# Altium PCB PCB-Tester-Board-V1.PcbDoc (part 4 of 7)
Units mil, origin at the board's own origin, x right, y up, seen from the top; angles counter-clockwise.
Board outline 15748.03 x 11811.02 mil, 8 copper layers (Top Layer, Inner1, Inner2, Inner3, Inner4, Inner5, Inner6, Bottom Layer), stack 59.646 mil thick; 751 components, 658 nets, 2830 pads, 1014 vias.
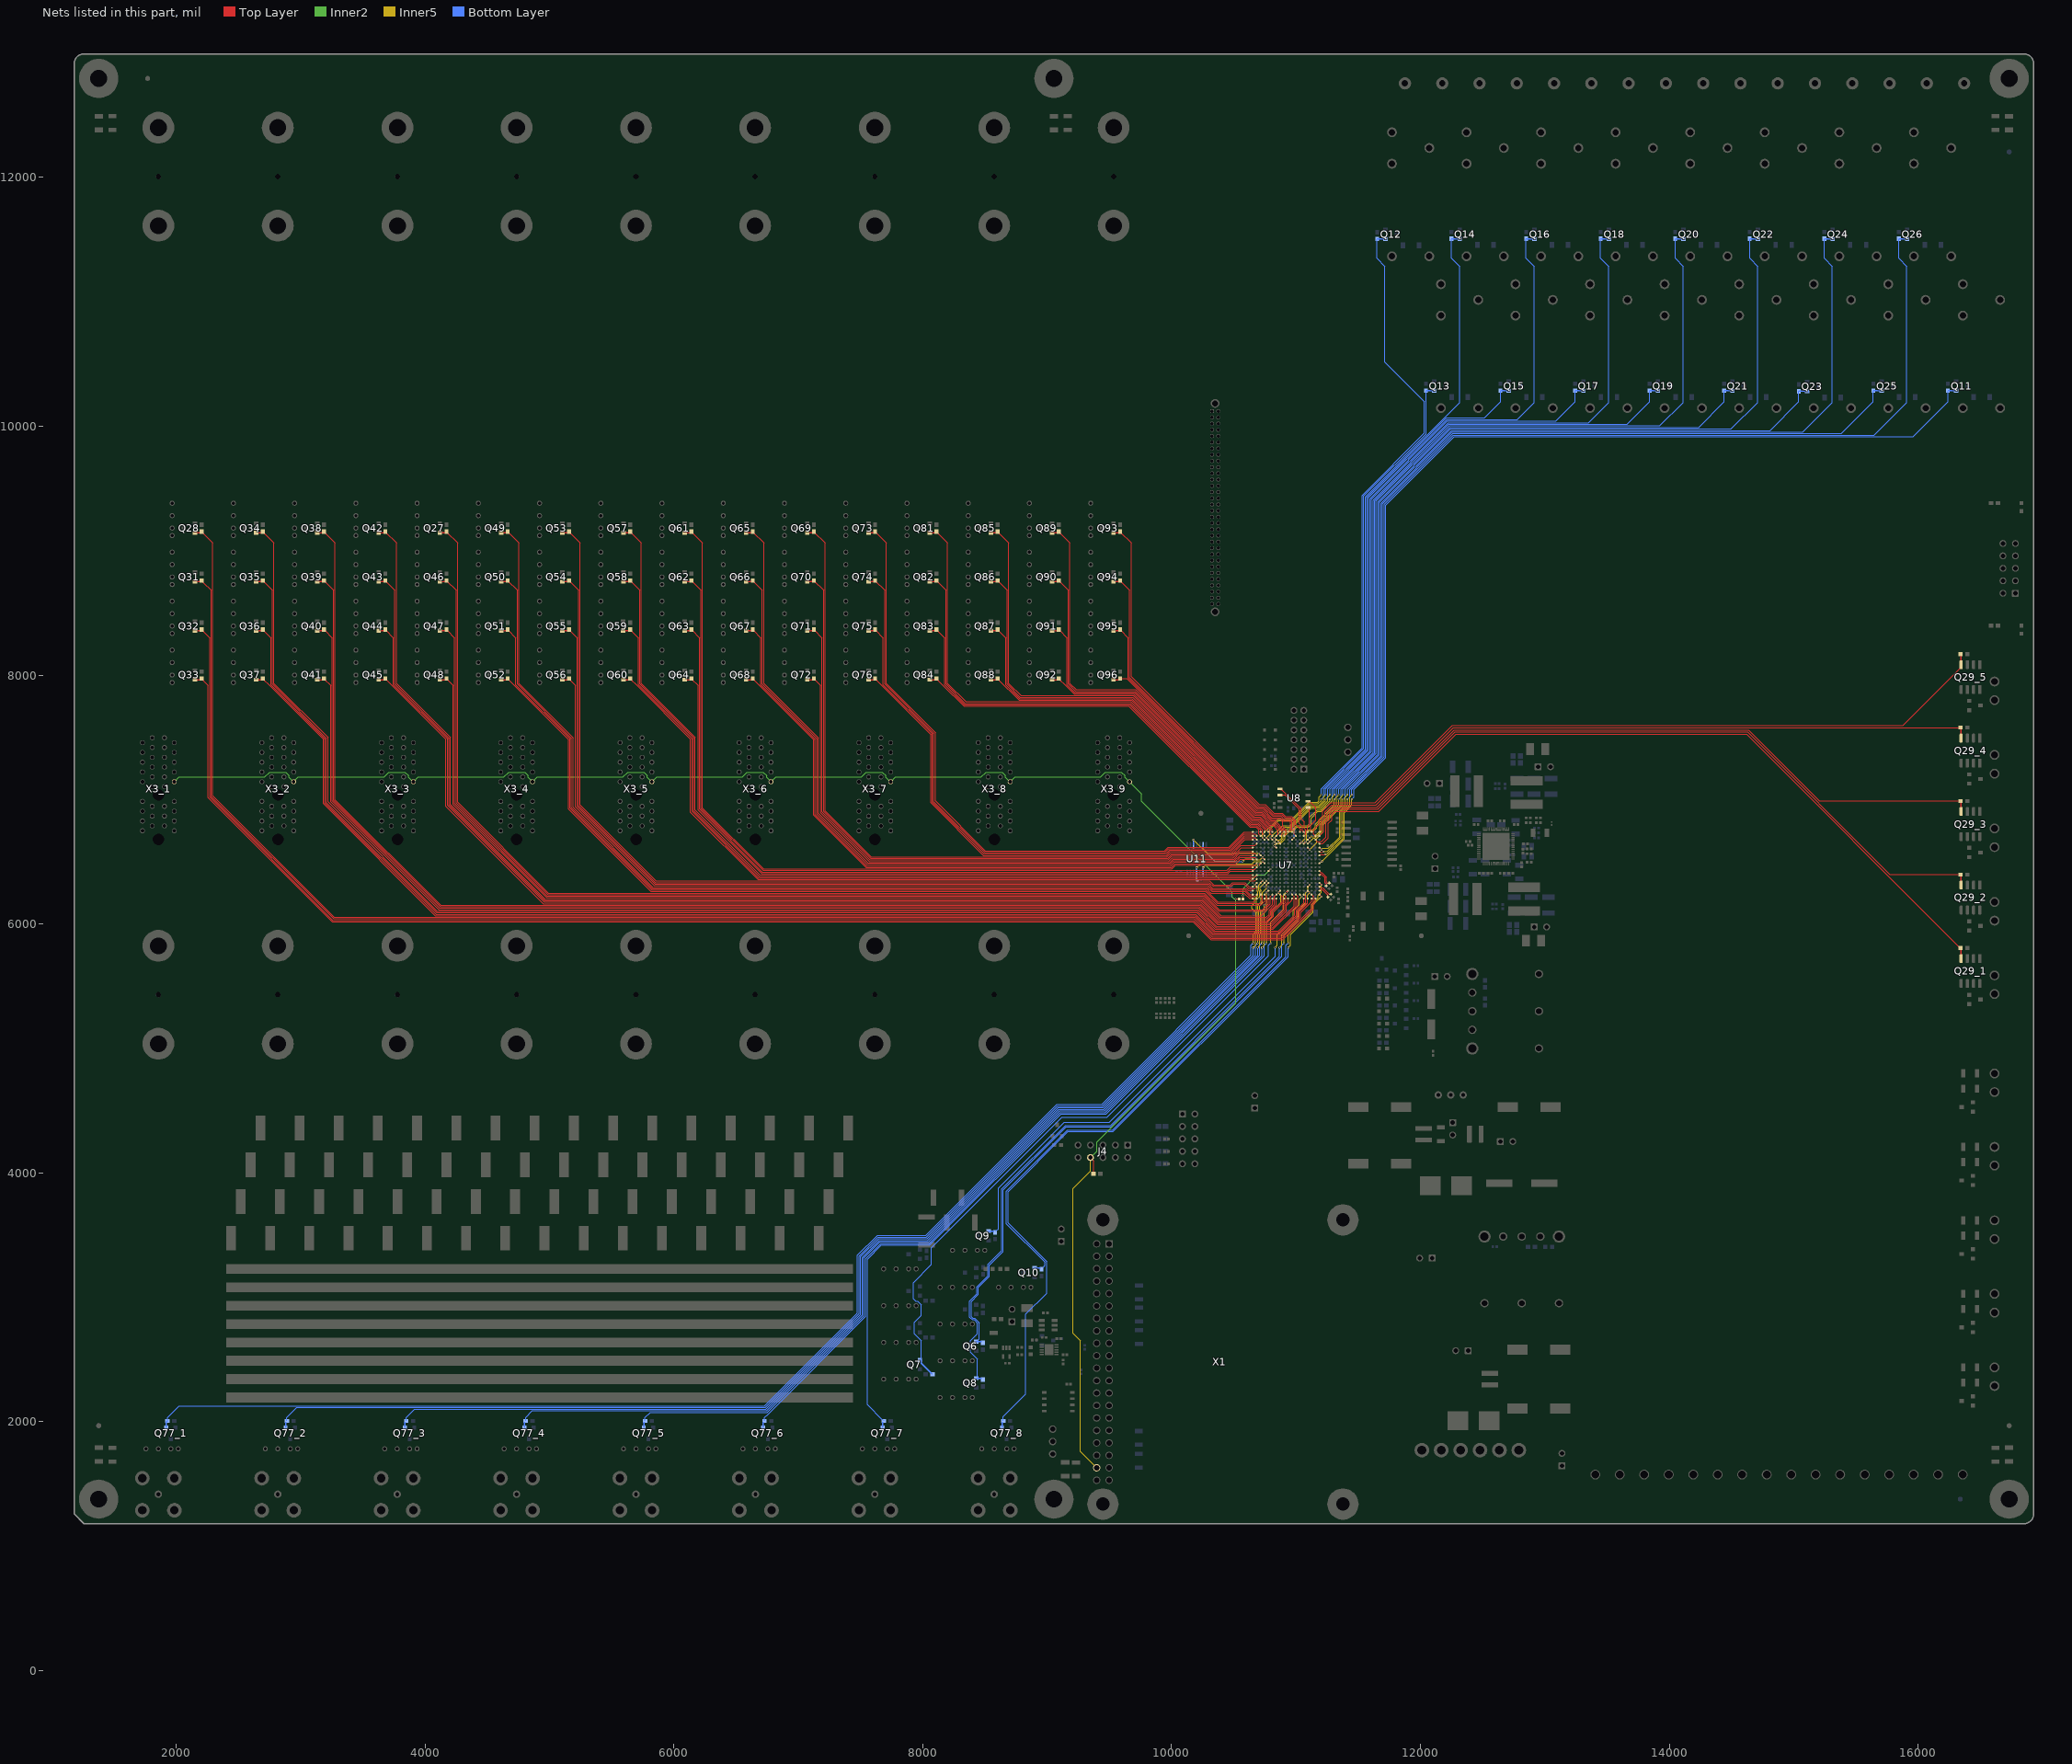
[diagram p10: the nets of this part, all layers, seen from the top]

## Via types
v1: diameter 15.75, hole 7.87, Top Layer to Bottom Layer, 599 vias
v2: diameter 31.5, hole 11.81, Top Layer to Bottom Layer, 361 vias
v3: diameter 27.56, hole 11.81, Top Layer to Bottom Layer, 54 vias

## Nets (pads, with @x,y where several pads share a name; then routed paths per layer and width w, separated by ;. In a path a pad name is that pad's centre, name@x,y a point inside that pad or via, vN(x,y) a via of type N, cw(c..) or ccw(c..) an arc to the next point about the centre after c; other vN are vias at no path point) (continued)
DRV6: Q6.1 R7.2 U7.T15 | length 5056.4
  Top Layer w6: U7.T15@11094.49,6267.72 v1(11110.24,6251.97)
  Inner5 w6: v1(10903.6,5846.46) 10903.6,5914.24 11019.5,6030.13 11019.5,6095.18 11092.12,6167.8 11092.12,6233.86 v1(11110.24,6251.97)
  Bottom Layer w6: Q6.1@8432.28,2644.88 8454.85,2667.44 8454.85,2795.69 8417.65,2832.89 8403.26,2832.89 8390.84,2845.32 8390.84,2965.39 8448.73,3023.29 8448.73,3078.6 8537.09,3166.96 8537.09,3258.35 8647.63,3368.89 8647.63,3863.86 9153.4,4369.63 9515.78,4369.63 10886.02,5739.87 10886.02,5828.88 v1(10903.6,5846.46)
  Bottom Layer w10: Q6.1@8430.31,2644.88 8432.28,2644.88 R7.2@8474.41,2644.88
DRV7: Q7.1 R8.2 U7.T10 | length 5473.7
  Top Layer w6: v1(10921.26,6251.97) U7.T10@10937.01,6267.72
  Inner5 w6: v1(10798.12,5846.46) 10798.12,6014.26 10902.1,6118.24 10902.1,6232.81 v1(10921.26,6251.97)
  Bottom Layer w6: Q7.1@7977.56,2497.24 7987.81,2507.5 7987.81,2650.5 7932.28,2706.03 7932.28,2799.69 7988.23,2855.64 7988.23,2938.98 7959.56,2967.65 7945.17,2967.65 7925.2,2987.62 7925.2,3118.37 8071.46,3264.62 8071.46,3396.95 9121.4,4446.89 9483.78,4446.89 10780.54,5743.64 10780.54,5828.88 v1(10798.12,5846.46)
  Bottom Layer w10: Q7.1@7977.56,2497.24 7987.81,2486.99 7987.81,2470.85 8066.02,2392.64 8067.99,2392.64 R8.2@8078.74,2381.89
DRV8: Q8.1 R9.2 U7.R15 | length 5446.2
  Top Layer w6: U7.R15@11094.49,6299.21 v1(11110.24,6314.96)
  Inner5 w6: v1(10868.44,5811.3) 10886.02,5828.88 10886.02,5913.61 11007.51,6035.1 11007.51,6100.14 11080.14,6172.77 11080.14,6250.25 11097.18,6267.29 11097.18,6301.91 v1(11110.24,6314.96)
  Bottom Layer w6: Q8.1@8440.57,2359.86 8440.57,2502.87 8385.04,2558.39 8385.04,2652.05 8440.99,2708 8440.99,2791.34 8412.32,2820.01 8397.93,2820.01 8377.96,2839.98 8377.96,2970.73 8435.86,3028.62 8435.86,3083.93 8524.21,3172.29 8524.21,3263.69 8634.75,3374.23 8634.75,3869.19 9148.06,4382.51 9510.45,4382.51 10868.44,5740.5 v1(10868.44,5811.3)
  Bottom Layer w10: Q8.1@8430.31,2349.61 R9.2@8474.41,2349.61
DRV9: Q9.1 R14.2 U7.U13 | length 3987.7
  Top Layer w6: U7.U13@11031.5,6236.22 v1(11047.24,6220.47)
  Inner5 w6: v1(10833.28,5811.3) 10850.86,5828.88 10850.86,5913.61 10980.23,6042.97 10980.23,6109.05 11025.3,6154.12 11025.3,6198.53 v1(11047.24,6220.47)
  Bottom Layer w6: R14.2@8588.25,3529.98 8595.43,3537.16 8595.5,3537.16 8609,3550.66 8609,3879.86 9137.4,4408.26 9499.78,4408.26 10833.28,5741.76 v1(10833.28,5811.3)
  Bottom Layer w10: Q9.1@8530.31,3532.28 R14.2@8574.41,3532.28
DRV10: Q10.1 R15.2 U7.P18 | length 4537.2
  Top Layer w6: U7.P18@11188.98,6330.71 v1(11204.72,6314.96)
  Inner5 w6: v1(10938.76,5846.46) 10938.76,5914.24 11125.92,6101.4 11125.92,6159.88 11176.97,6210.92 11176.97,6227.45 11204.72,6255.21 v1(11204.72,6314.96)
  Bottom Layer w6: R15.2@8967.01,3239.92 8967.39,3240.31 8983.12,3256.03 8983.12,3281.88 8673.38,3591.62 8673.38,3853.19 9164.06,4343.88 9526.45,4343.88 10921.18,5738.61 10921.18,5828.88 v1(10938.76,5846.46)
  Bottom Layer w10: Q10.1@8900.71,3235.43 R15.2@8944.8,3235.43
DRV11: Q29_5.1 R38_5.2 U7.B17 | length 5954.7
  Top Layer w5: 11141.73,6724.41 11141.73,6755.91
  Top Layer w6: 11141.73,6724.41 U7.B17@11157.48,6708.66
  Top Layer w8: 11141.73,6755.91 11187.2,6801.38 11187.2,6837.21 11216.15,6866.15 11216.15,6908.93 11282.86,6975.65 11637.43,6975.65 12258.44,7596.65 15880.71,7596.65 16346.06,8062.01 Q29_5.1@16346.06,8084.65
  Top Layer w10: R38_5.2@16340.55,8169.29 16346.06,8163.78 Q29_5.1@16346.06,8084.65
DRV12: Q29_4.1 R38_4.2 U7.A18 | length 5646
  Top Layer w6: U7.A18@11188.98,6740.16 11204.72,6755.91
  Top Layer w8: 11205.11,6755.91 11205.11,6829.79 11234.06,6858.73 11234.06,6901.51 11290.28,6957.73 11644.85,6957.73 12265.86,7578.74 R38_4.2@16340.55,7578.74
  Top Layer w10: Q29_4.1@16346.06,7494.09 R38_4.2@16346.06,7573.23
DRV13: Q29_3.1 R38_3.2 U7.B18 | length 5892.6
  Top Layer w6: U7.B18@11188.98,6708.66 11204.72,6724.41
  Top Layer w8: 11204.72,6724.41 11223.03,6742.71 11223.03,6822.37 11251.97,6851.31 11251.97,6894.09 11297.7,6939.82 11652.27,6939.82 12273.28,7560.83 14635.5,7560.83 15208.14,6988.19 R38_3.2@16340.55,6988.19
  Top Layer w10: Q29_3.1@16346.06,6903.54 R38_3.2@16346.06,6982.68
DRV14: Q29_2.1 R38_2.2 U7.C17 | length 6202
  Top Layer w5: 11173.23,6661.42 11204.72,6661.42
  Top Layer w6: U7.C17@11157.48,6677.17 11173.23,6661.42
  Top Layer w8: 11204.72,6661.42 11240.94,6697.63 11240.94,6814.95 11269.88,6843.89 11269.88,6886.68 11305.12,6921.91 11659.69,6921.91 12280.69,7542.92 14628.08,7542.92 15773.36,6397.64 R38_2.2@16340.55,6397.64
  Top Layer w10: Q29_2.1@16346.06,6312.99 R38_2.2@16346.06,6392.13
DRV15: Q29_1.1 R38_1.2 U7.D18 | length 6399.7
  Top Layer w6: U7.D18@11188.98,6645.67 11213.25,6645.67 11218.96,6651.38
  Top Layer w8: 11218.96,6651.38 11258.85,6691.27 11258.85,6807.53 11287.79,6836.47 11287.79,6879.26 11312.54,6904 11667.11,6904 12288.11,7525.01 14620.66,7525.01 16326.83,5818.83 16338.58,5807.09 R38_1.2@16340.55,5807.09
  Top Layer w10: Q29_1.1@16346.06,5722.44 R38_1.2@16346.06,5801.57
DRV16: Q77_1.1 R1_1.2 U7.P2 | length 11251.8
  Top Layer w6: v1(10669.29,6314.96) U7.P2@10685.04,6330.71
  Inner5 w6: v1(10657.48,5846.46) 10657.48,5919.78 10678.08,5940.37 10678.08,6092.37 10646.39,6124.06 10646.39,6146.12 10669.56,6169.29 10669.56,6204.15 10694.26,6228.84 10694.26,6257.96 10688.68,6263.53 10688.68,6295.57 v1(10669.29,6314.96)
  Bottom Layer w6: R1_1.2@1930.22,2007.32 1930.22,2033.62 2023.6,2127 6730.06,2127 7476.62,2873.56 7476.62,3337.33 7636.57,3497.29 8024.66,3497.29 9078.3,4550.92 9440.69,4550.92 10639.9,5750.14 10639.9,5828.88 v1(10657.48,5846.46)
  Bottom Layer w10: Q77_1.1@1920.37,1952.87 1920.37,1997.48 R1_1.2@1930.22,2007.32
DRV17: Q77_2.1 R1_2.2 U7.P3 | length 10311.6
  Top Layer w6: U7.P3@10716.54,6330.71 v1(10732.28,6346.46)
  Inner5 w6: v1(10657.48,5811.3) 10675.06,5828.88 10675.06,5919.15 10690.95,5935.04 10690.95,6100.27 10682.25,6108.97 10682.25,6197.89 10707.11,6222.76 10707.11,6263.2 10701.08,6269.24 10701.08,6315.25 v1(10732.28,6346.46)
  Bottom Layer w6: R1_2.2@2889.86,2007.32 2889.86,2033.13 2970.69,2113.95 6735.46,2113.95 7489.67,2868.16 7489.67,3331.93 7641.98,3484.24 8030.07,3484.24 9083.71,4537.88 9446.09,4537.88 10657.48,5749.26 v1(10657.48,5811.3)
  Bottom Layer w10: Q77_2.1@2880.02,1952.87 R1_2.2@2880.02,1997.48
DRV18: Q77_3.1 R1_3.2 U7.P4 | length 9376.2
  Top Layer w6: U7.P4@10748.03,6330.71 v1(10763.78,6346.46)
  Inner5 w6: v1(10692.64,5846.46) 10692.64,5919.78 10702.94,5930.07 10702.94,6105.23 10694.24,6113.93 10694.24,6153 10719.84,6178.61 10719.84,6269.26 10713.37,6275.73 10713.37,6296.04 v1(10763.78,6346.46)
  Bottom Layer w6: R1_3.2@3849.51,2007.32 3849.51,2033.13 3917.29,2100.9 6740.87,2100.9 7502.71,2862.75 7502.71,3326.52 7647.38,3471.19 8035.47,3471.19 9089.11,4524.83 9451.5,4524.83 10675.06,5748.39 10675.06,5828.88 v1(10692.64,5846.46)
  Bottom Layer w10: Q77_3.1@3839.67,1952.87 R1_3.2@3839.67,1997.48
DRV19: Q77_4.1 R1_4.2 U7.P5 | length 8390.5
  Top Layer w6: v1(10763.78,6314.96) U7.P5@10779.53,6330.71
  Inner5 w6: v1(10692.64,5811.3) 10710.22,5828.88 10710.22,5919.15 10715.81,5924.74 10715.81,6110.56 10707.11,6119.27 10707.11,6147.67 10732.25,6172.81 10732.25,6255.87 10763.78,6287.4 v1(10763.78,6314.96)
  Bottom Layer w6: R1_4.2@4809.15,2007.32 4809.15,2033.13 4863.88,2087.86 6746.27,2087.86 7515.76,2857.35 7515.76,3321.12 7652.79,3458.14 8040.88,3458.14 9094.51,4511.78 9456.9,4511.78 10692.64,5747.52 v1(10692.64,5811.3)
  Bottom Layer w10: Q77_4.1@4799.31,1952.87 R1_4.2@4799.31,1997.48
DRV20: Q77_5.1 R1_5.2 U7.U4 | length 7340
  Top Layer w5: 10763.78,6188.98 10763.78,6220.47
  Top Layer w6: v1(10744.5,6153) 10763.78,6172.29 10763.78,6188.98 ; U7.U4@10748.03,6236.22 10763.78,6220.47
  Inner5 w6: v1(10727.8,5846.46) 10727.8,6102.8 10744.5,6119.49 v1(10744.5,6153)
  Bottom Layer w6: R1_5.2@5768.8,2007.32 5768.8,2033.13 5810.48,2074.81 6751.68,2074.81 7528.81,2851.94 7528.81,3315.71 7658.19,3445.1 8046.28,3445.1 9099.92,4498.73 9462.31,4498.73 10710.22,5746.65 10710.22,5828.88 v1(10727.8,5846.46)
  Bottom Layer w10: Q77_5.1@5758.96,1952.87 R1_5.2@5758.96,1997.48
DRV21: Q77_6.1 R1_6.2 U7.T5 | length 6422.6
  Top Layer w6: v1(10763.78,6251.97) U7.T5@10779.53,6267.72
  Inner5 w6: v1(10727.8,5811.3) 10745.38,5828.88 10745.38,6093.48 10763.78,6111.88 v1(10763.78,6251.97)
  Bottom Layer w6: R1_6.2@6728.44,2007.32 6728.44,2033.13 6757.08,2061.76 7541.86,2846.54 7541.86,3310.31 7663.6,3432.05 8051.69,3432.05 9105.32,4485.69 9467.71,4485.69 10727.8,5745.78 v1(10727.8,5811.3)
  Bottom Layer w10: Q77_6.1@6718.6,1952.87 R1_6.2@6718.6,1997.48
DRV22: Q77_7.1 R1_7.2 U7.T8 | length 6191.8
  Top Layer w6: v1(10858.27,6251.97) U7.T8@10874.02,6267.72
  Inner5 w6: v1(10762.96,5846.46) 10762.96,6014.26 10807.26,6058.56 10807.26,6102.89 10877.36,6172.99 10877.36,6232.88 v1(10858.27,6251.97)
  Bottom Layer w6: R1_7.2@7688.09,2007.32 7675.34,2020.07 7672.93,2020.07 7554.9,2138.1 7554.9,3304.9 7669,3419 8057.09,3419 9110.73,4472.64 9473.12,4472.64 10745.38,5744.9 10745.38,5828.88 v1(10762.96,5846.46)
  Bottom Layer w10: Q77_7.1@7678.25,1952.87 R1_7.2@7678.25,1997.48
DRV23: Q77_8.1 R1_8.2 U7.U18 | length 5808
  Top Layer w6: U7.U18@11188.98,6236.22 v1(11204.72,6220.47)
  Inner5 w6: v1(10938.76,5811.3) 10956.34,5828.88 10956.34,5913.61 11138.79,6096.06 11138.79,6154.54 v1(11204.72,6220.47)
  Bottom Layer w6: R1_8.2@8647.74,2007.32 8647.74,2041.11 8828,2221.37 8828,2865.24 8996,3033.24 8996,3287.21 8686.26,3596.95 8686.26,3847.86 9169.4,4331 9531.78,4331 10938.76,5737.98 v1(10938.76,5811.3)
  Bottom Layer w10: Q77_8.1@8637.89,1952.87 R1_8.2@8637.89,1997.48
DRV24: Q12.1 R17.2 U7.C4 | length 5705.4
  Top Layer w6: v1(10732.28,6692.91) U7.C4@10748.03,6677.17
  Inner5 w6: v1(10732.28,6692.91) 10732.28,6718.6 10856.96,6843.28 10967.32,6843.28 11102.9,6978.86 11174.48,6978.86 11185.63,6990.01 11185.63,7020.92 v1(11203.21,7038.5)
  Bottom Layer w6: v1(11203.21,7038.5) 11203.21,7086.9 11532.29,7415.98 11532.29,9444.93 12032.4,9945.03 12032.4,10197.6 11715.79,10514.21 11715.79,11286 11651.3,11350.49 R17.2@11651.3,11506.67
  Bottom Layer w10: R17.2@11652.8,11505.17 Q12.1@11719.24,11505.17
DRV25: Q13.1 R18.2 U7.C5 | length 4319.3
  Top Layer w6: v1(10763.78,6692.91) U7.C5@10779.53,6677.17
  Inner5 w6: v1(10763.78,6692.91) 10791.34,6720.47 10791.34,6759.84 10862.18,6830.68 10972.54,6830.68 11108.12,6966.26 11179.7,6966.26 11203.21,6989.77 v1(11203.21,7003.34)
  Bottom Layer w6: v1(11203.21,7003.34) 11220.79,7020.92 11220.79,7086.66 11544.89,7410.76 11544.89,9439.71 12045,9939.81 R18.2@12045,10286.2
  Bottom Layer w10: R18.2@12045,10286.2 Q13.1@12111.44,10286.2
DRV26: Q14.1 R19.2 U7.C6 | length 5633.9
  Top Layer w6: v1(10795.28,6692.91) U7.C6@10811.02,6677.17
  Inner5 w6: v1(10795.28,6692.91) 10894.56,6792.2 10951.4,6792.2 11113.2,6954 11184.78,6954 11220.79,6990.01 11220.79,7020.92 v1(11238.37,7038.5)
  Bottom Layer w6: v1(11238.37,7038.5) 11238.37,7086.43 11557.49,7405.54 11557.49,9434.49 12315,10192 12315,11286 12250.51,11350.49 R19.2@12250.51,11506.67
  Bottom Layer w10: R19.2@12250.51,11506.67 Q14.1@12316.95,11506.67
DRV27: Q15.1 R20.2 U7.C7 | length 4682
  Top Layer w6: v1(10826.77,6692.91) U7.C7@10842.52,6677.17
  Inner5 w6: v1(10826.77,6692.91) 10913.46,6779.6 10956.62,6779.6 11118.42,6941.4 11190,6941.4 11238.37,6989.77 v1(11238.37,7003.34)
  Bottom Layer w6: v1(11238.37,7003.34) 11255.95,7020.92 11255.95,7086.19 11570.08,7400.32 11570.08,9429.27 12207.82,10067 12515,10067 12644.21,10196.21 R20.2@12644.21,10286.2
  Bottom Layer w10: R20.2@12644.21,10286.2 Q15.1@12710.65,10286.2
DRV28: Q16.1 R21.2 U7.D7 | length 6230.5
  Top Layer w6: v1(10826.77,6661.42) U7.D7@10842.52,6645.67
  Inner5 w5: 10842.52,6677.17 10871.68,6677.17
  Inner5 w6: v1(10826.77,6661.42) 10842.52,6677.17 ; 10871.68,6677.17 10886.08,6691.56 10886.08,6719.06 10933.92,6766.89 10961.26,6766.89 11123.5,6929.13 11195.08,6929.13 11255.95,6990.01 11255.95,7020.92 v1(11273.53,7038.5)
  Bottom Layer w6: v1(11273.53,7038.5) 11273.53,7085.96 11582.68,7395.11 11582.68,9424.05 12213.03,10054.4 12776.61,10054.4 12914.21,10192 12914.21,11286 12849.72,11350.49 R21.2@12849.72,11506.67
  Bottom Layer w10: R21.2@12849.72,11506.67 Q16.1@12916.16,11506.67
DRV29: Q17.1 R22.2 U7.D8 | length 5308.3
  Top Layer w6: v1(10858.27,6661.42) U7.D8@10874.02,6645.67
  Inner5 w6: v1(10858.27,6661.42) 10873.34,6661.42 10898.39,6686.46 10898.39,6713.96 10939.02,6754.59 10966.35,6754.59 11003.63,6791.87 11095.36,6791.87 11108.72,6805.22 11108.72,6856.02 11169.24,6916.54 11200.3,6916.54 11273.53,6989.77 v1(11273.53,7003.34)
  Bottom Layer w6: v1(11273.53,7003.34) 11291.11,7020.92 11291.11,7085.72 11595.28,7389.89 11595.28,9418.83 12218.25,10041.81 13089.02,10041.81 13243.42,10196.21 R22.2@13243.42,10286.2
  Bottom Layer w10: R22.2@13243.42,10286.2 Q17.1@13309.86,10286.2
DRV30: Q18.1 R23.2 U7.E7 | length 6872.2
  Top Layer w6: v1(10826.77,6629.92) U7.E7@10842.52,6614.17
  Inner5 w5: 10842.52,6645.67 10874.94,6645.67
  Inner5 w6: v1(10826.77,6629.92) 10842.52,6645.67 ; 10874.94,6645.67 10910.65,6681.38 10910.65,6708.88 10944.1,6742.32 10971.43,6742.32 11008.71,6779.6 11100.44,6779.6 11120.98,6800.14 11120.98,6850.94 11174.32,6904.27 11205.38,6904.27 11291.11,6990.01 11291.11,7020.92 v1(11308.69,7038.5)
  Bottom Layer w6: v1(11308.69,7038.5) 11308.82,7038.63 11308.82,7085.61 11607.88,7384.67 11607.88,9413.62 12223.47,10029.21 13350.63,10029.21 13513.42,10192 13513.43,11286 13448.93,11350.49 R23.2@13448.93,11506.67
  Bottom Layer w10: R23.2@13448.93,11506.67 Q18.1@13515.37,11506.67
DRV31: Q19.1 R24.2 U7.D13 | length 5734.3
  Top Layer w6: U7.D13@11031.5,6645.67 v1(11047.24,6661.42)
  Inner5 w6: v1(11047.24,6661.42) 11073.95,6688.12 11073.95,6736.68 11095.62,6758.35 11134.31,6758.35 11154.24,6778.28 11154.24,6800.49 11308.69,6954.94 v1(11308.69,7003.34)
  Bottom Layer w6: v1(11308.69,7003.34) 11326.27,7020.92 11326.27,7085.25 11620.47,7379.45 11620.47,9408.4 ; 11620.48,9408.4 12228.69,10016.61 13663.04,10016.61 13842.64,10196.21 R24.2@13842.64,10286.2
  Bottom Layer w10: R24.2@13842.64,10286.2 Q19.1@13909.07,10286.2
DRV32: Q20.1 R25.2 U7.D14 | length 7230.4
  Top Layer w6: U7.D14@11062.99,6645.67 v1(11078.74,6661.42)
  Inner5 w6: v1(11078.74,6661.42) 11078.74,6662.33 11086.22,6669.81 11086.22,6731.6 11100.7,6746.08 11139.39,6746.08 11166.51,6773.2 11166.51,6795.41 11326.27,6955.18 11326.27,7020.92 v1(11343.85,7038.5)
  Bottom Layer w6: v1(11343.85,7038.5) 11344.22,7038.86 11344.22,7085.38 11633.07,7374.23 11633.07,9403.18 12233.91,10004.01 13924.65,10004.01 14112.64,10192 14112.64,11286 14048.15,11350.49 R25.2@14048.15,11506.67
  Bottom Layer w10: R25.2@14048.15,11506.67 Q20.1@14114.59,11506.67
DRV33: Q21.1 R26.2 U7.C15 | length 6248.1
  Top Layer w6: U7.C15@11094.49,6677.17 v1(11110.24,6692.91)
  Inner5 w6: v1(11110.24,6692.91) 11120.25,6702.92 11147.1,6702.92 11191.52,6747.35 11191.52,6802.61 11343.85,6954.94 v1(11343.85,7003.34)
  Bottom Layer w6: v1(11343.85,7003.34) 11361.43,7020.92 11361.43,7084.78 11645.67,7369.02 11645.67,9397.96 12239.12,9991.42 14237.05,9991.42 14441.85,10196.21 R26.2@14441.85,10286.2
  Bottom Layer w10: R26.2@14441.85,10286.2 Q21.1@14508.29,10286.2
DRV34: Q22.1 R27.2 U7.D15 | length 7780.5
  Top Layer w6: U7.D15@11094.49,6645.67 v1(11110.24,6661.42)
  Inner5 w6: v1(11110.24,6661.42) 11139.48,6690.66 11152.18,6690.66 11203.79,6742.27 11203.79,6797.53 11361.43,6955.18 11361.43,7020.92 v1(11379.01,7038.5)
  Bottom Layer w6: v1(11379.01,7038.5) 11379.01,7084.54 11658.27,7363.8 11658.27,9392.74 12244.34,9978.82 14498.67,9978.82 14711.85,10192 14711.85,11286 14647.36,11350.49 R27.2@14647.36,11506.67
  Bottom Layer w10: R27.2@14647.36,11506.67 Q22.1@14713.8,11506.67
DRV35: Q23.1 R28.2 U7.E15 | length 6900
  Top Layer w6: U7.E15@11094.49,6614.17 v1(11110.24,6598.43)
  Inner5 w6: v1(11110.24,6598.43) 11165.64,6653.83 11165.64,6686.3 11216.38,6737.05 11216.38,6792.31 11379.01,6954.94 v1(11379.01,7003.34)
  Bottom Layer w6: v1(11379.01,7003.34) 11396.59,7020.92 11396.59,7084.31 11670.86,7358.58 11670.86,9387.53 12249.56,9966.22 14811.07,9966.22 15041.06,10196.21 R28.2@15041.06,10281
  Bottom Layer w10: R28.2@15041.06,10281 Q23.1@15107.5,10281
DRV36: Q24.1 R29.2 U7.E18 | length 8402.3
  Top Layer w6: U7.E18@11188.98,6614.17 v1(11204.72,6598.43)
  Inner5 w6: v1(11204.72,6598.43) 11214.77,6608.47 11260.96,6608.47 11351.42,6698.92 11351.42,6910 11396.59,6955.18 11396.59,7020.92 v1(11414.17,7038.5)
  Bottom Layer w6: v1(11414.17,7038.5) 11414.17,7084.07 11683.46,7353.36 11683.46,9382.31 12254.78,9953.62 15072.69,9953.62 15311.06,10192 15311.06,11286 15246.57,11350.49 R29.2@15246.57,11506.67
  Bottom Layer w10: R29.2@15246.57,11506.67 Q24.1@15313.01,11506.67
DRV37: Q25.1 R30.2 U7.F18 | length 7488.3
  Top Layer w6: U7.F18@11189.23,6582.68 11197.3,6574.61 11213,6574.61 v1(11221.07,6582.68)
  Inner5 w6: v1(11221.07,6582.68) 11252.99,6582.68 11364.02,6693.7 11364.02,6904.79 11414.17,6954.94 v1(11414.17,7003.34)
  Bottom Layer w6: v1(11414.17,7003.34) 11431.75,7020.92 11431.75,7083.84 11696.06,7348.14 11696.06,9377.09 12260,9941.03 15385.09,9941.03 15640.27,10196.21 R30.2@15640.27,10286.2
  Bottom Layer w10: R30.2@15640.27,10286.2 Q25.1@15706.71,10286.2
DRV38: Q26.1 R31.2 U7.G18 | length 9014.3
  Top Layer w6: U7.G18@11188.98,6551.18 11189.49,6551.18 11197.56,6559.25 v1(11236.22,6559.25)
  Inner5 w6: v1(11236.22,6559.25) 11236.81,6559.84 11247.5,6559.84 11376.28,6688.62 11376.28,6899.71 11431.75,6955.18 11431.75,7020.92 v1(11449.33,7038.5)
  Bottom Layer w6: v1(11449.33,7038.5) 11449.33,7083.6 11708.66,7342.92 11708.66,9371.87 12265.21,9928.43 15646.7,9928.43 15910.28,10192 15910.28,11286 15845.78,11350.49 R31.2@15845.78,11506.67
  Bottom Layer w10: R31.2@15845.78,11506.67 Q26.1@15912.22,11506.67
DRV39: Q11.1 R16.2 U7.J18 | length 8118.8
  Top Layer w6: U7.J18@11188.98,6488.19 v1(11207.77,6502.29)
  Inner5 w6: v1(11207.77,6502.29) 11388.88,6683.41 11388.88,6894.49 11449.33,6954.94 v1(11449.33,7003.34)
  Bottom Layer w6: v1(11449.33,7003.34) 11466.91,7020.92 11466.91,7083.37 11721.25,7337.71 11721.25,9366.65 12270.43,9915.83 15959.11,9915.83 16239.49,10196.21 R16.2@16239.49,10286.2